# Allegro board reComputer J202_V1.0.brd (continued)
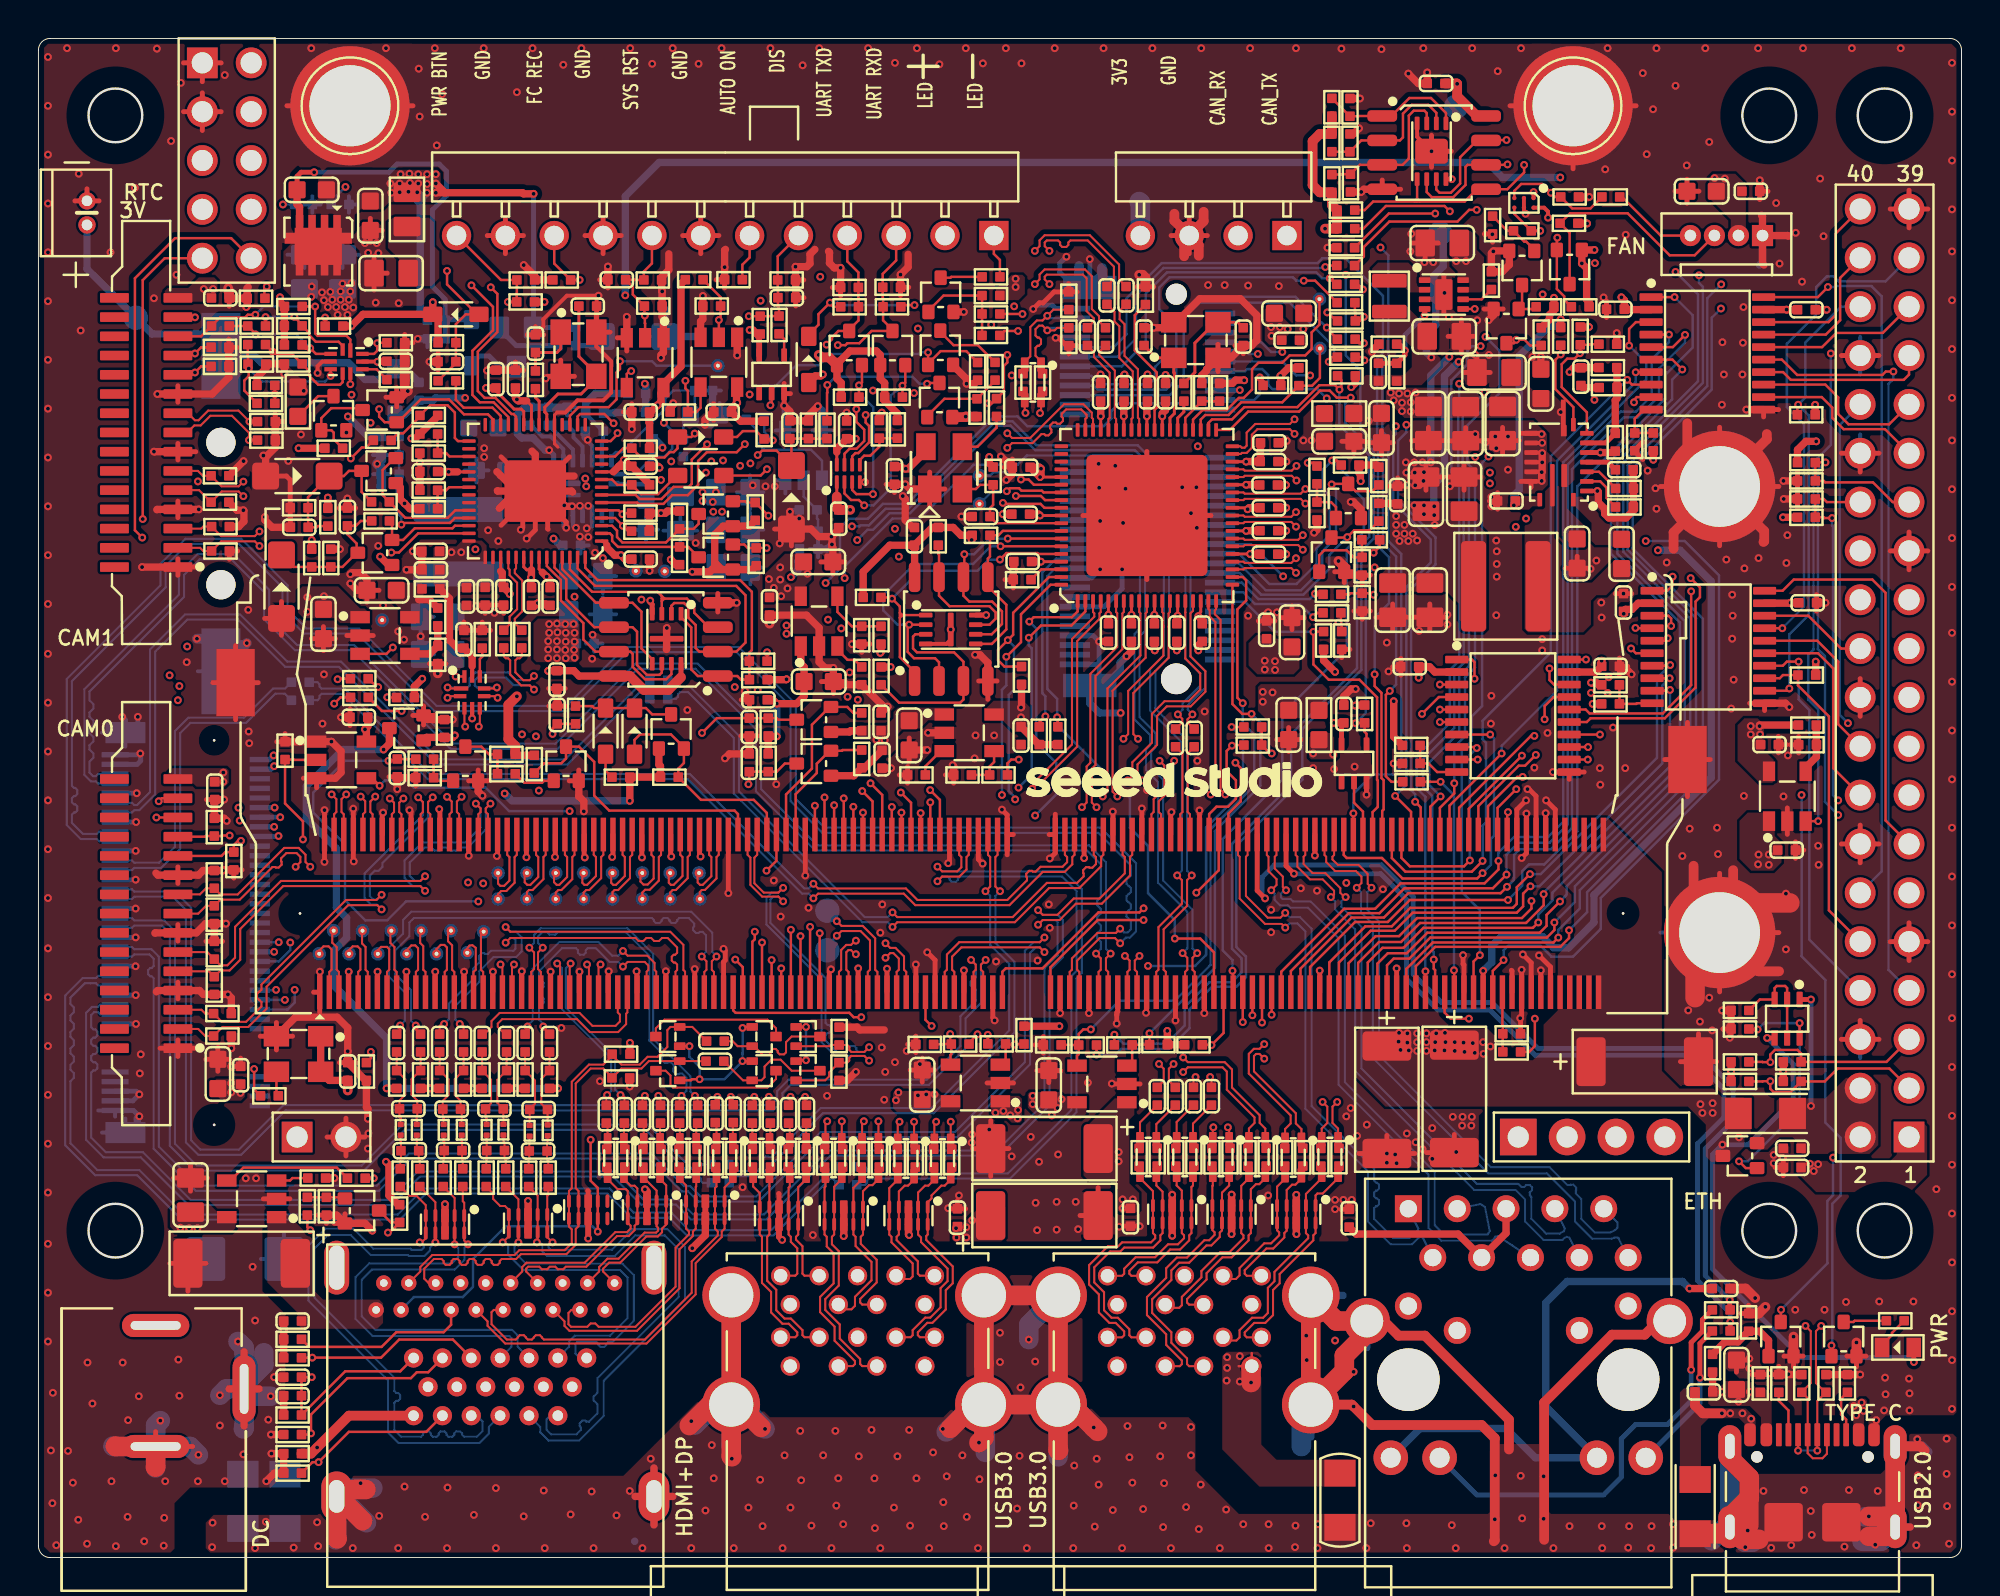
[diagram p0: board, top side]
## Routing (per net, layer and track width the routed paths; a pad name or vN(x,y) marks a point on that pad's centre or on a via; arc(x,y) is an arc through that point) (continued)
M2_SDIO_D2: length 18.5
  TOP w0.127: R202.1 67.54,63.36 67.25,63.66 67.25,63.71 v1(66.99,63.96)
  BOTTOM w0.127: v1(66.99,63.96) 66.71,64.24 66.69,64.24 65.37,65.56 60.37,65.56 59.17,64.36 59.17,61.27 58.64,60.74 55.08,60.74 54.87,60.95 J20.17
M2_SDIO_D3: length 19.8
  TOP w0.127: R195.1 67.22,62.43 67.09,62.3 v1(67.09,62.19)
  BOTTOM w0.127: v1(67.09,62.19) 67.37,62.47 67.37,62.95 65.06,65.26 60.39,65.26 59.55,64.42 59.55,61.17 58.83,60.45 J20.19
M2_USB2_AP_N: length 6.2
  TOP w0.107: R184.1 52.14,61.64 L27.1 52.14,62.21 51.85,62.5 51.85,62.91 51.95,63.02 52.03,63.02 52.13,63.13 52.13,63.34 52.03,63.45 51.95,63.45 51.85,63.55 51.85,63.88 52.03,64.06 52.21,64.06 v1(52.46,63.82) 52.84,63.82 52.97,63.95 D40.2
  BOTTOM w0.107: v1(52.46,63.82) 52.59,63.95 J20.5
M2_USB2_AP_P: length 6.4
  TOP w0.107: D42.2 52.78,64.9 v1(52.46,64.58) 52.21,64.33 51.92,64.33 51.58,63.99 51.58,62.47 51.29,62.18 L27.4 51.29,61.66 R183.1
  BOTTOM w0.107: v1(52.46,64.58) 52.59,64.45 J20.3
M2E_ALERT*: length 19
  TOP w0.127: R124.2 66.31,48.15 v1(66.3,48.14) 66.3,46.45 67.09,45.65 68.69,45.65 69.61,44.74 69.61,40.44 69.64,40.41 69.64,39.04 69.38,38.77 J11.212
  BOTTOM w0.127: v1(66.3,48.14) 64.3,48.14 62.74,49.7 J20.62
M2E_SUSCLK_32KHZ: length 19.3
  TOP w0.127: U16.4 69.06,42.84 68.96,42.94 R106.2 68.51,43.41 v1(68.49,43.39)
  LAY4 w0.127: v1(69.48,51.49) 68.74,50.75 65,50.75 v1(64.72,51.03)
  BOTTOM w0.127: J20.50 63.05,52.7 v1(64.72,51.03) ; v1(68.49,43.39) 69.02,43.92 69.02,51.04 v1(69.48,51.49)
M2M_ALERT*: length 101.1
  TOP w0.127: R213.1 67.49,64.31 67.04,64.75 v1(67.02,64.75) ; v1(18.14,44.74) 18.15,44.72 R108.2
  LAY3 w0.127: v1(13.09,31.99) 11.63,33.45 11.63,35.2 7.66,39.17 7.66,44.99 v1(7.33,45.32) ; v1(18.14,44.74) 17.67,44.74 16.62,45.79 16.62,60.13 v1(16.28,60.47)
  LAY4 w0.127: v1(67.02,64.75) 66.86,64.6 65.18,64.6 65,64.78 62.11,64.78 61.91,64.57 60.98,64.57 59.05,62.64 51,62.64 50.7,62.94 49.3,62.94 49.16,63.08 44.06,63.08 43.52,63.61 40.5,63.61 39.57,62.68 36.73,62.68 36.46,62.95 29.37,62.95 28.87,63.46 22.49,63.46 20.1,61.07 16.88,61.07 v1(16.28,60.47) ; v1(7.33,45.32) 7.81,45.32 7.96,45.17 15.25,45.17 15.68,44.74 v1(18.14,44.74)
  BOTTOM w0.127: v1(13.09,31.99) 13.09,31.59 12.5,31 J18.44
M2M_SUSCLK_32KHZ: length 2.2
  TOP w0.127: R268.2 11.21,24.34 v1(11.21,25.41)
  BOTTOM w0.127: v1(11.21,25.41) 11.21,25.13 11.34,25 J18.68
MCT: length 10.6
  TOP w0.381: J6.5 76.32,16.87 J6.4 73.82,16.82 68.52,16.82 C9.1
MCU_ADC0: length 7.4
  TOP w0.127: U29.38 21.67,54.46 21.28,54.07 19.07,54.07 R147.1 17.89,55.25 17.89,56.55 18.52,57.18 Q23.2
MCU_ADC1: length 8.4
  TOP w0.127: U29.39 21.66,54.06 21.4,53.8 18.96,53.8 v1(18.87,53.72)
  BOTTOM w0.127: v1(18.87,53.72) 18.87,54.11 18.63,54.36 18.63,55.78 18.75,55.9 C200.1 R263.1 R262.2
MCU_ADC2: length 5.4
  TOP w0.127: R137.1 18.39,53.77 Q20.2 18.96,52.92 19.57,53.53 21.53,53.53 21.66,53.66 U29.40
MCU_ADC3: length 8.5
  TOP w0.127: U29.41 19.74,53.26 18.74,52.27 v1(18.35,52.27)
  LAY3 w0.127: v1(18.35,52.27) 18.35,51.95 17.44,51.04 17.44,49.16 17.84,48.75 TP29.1
MCU_I2C0_SCL: length 6.5
  TOP w0.127: U29.3 29.83,53.66 30.09,53.4 30.09,53.07 30.37,52.79 32.63,52.79 R138.2 34.06,53.5 34.33,53.76 Q21.3
MCU_I2C0_SDA: length 5.7
  TOP w0.127: U29.2 29.71,53.26 29.83,53.14 29.83,52.86 30.14,52.56 R133.2 33.79,52.56 Q18.3
MCU_I2C1_SCL: length 5.5
  TOP w0.127: U29.5 30.17,54.46 v1(30.37,54.26) 30.42,54.31 R146.2
  LAY4 w0.127: TP31.1 31.41,52.45 31.41,53.22 v1(30.37,54.26)
MCU_I2C1_SDA: length 4.5
  TOP w0.127: R136.2 30.67,53.37 v1(30.39,53.65) 29.98,54.06 U29.4
  LAY4 w0.127: v1(30.39,53.65) 31.07,52.98 TP32.1
MCU_RST: length 24.1
  TOP w0.127: FB5.1 21.71,62.12 C145.1 R201.2 21.71,64.14 22.22,64.65 22.81,64.65 ; 22.81,64.65 D41.1 ; 22.81,64.65 21.25,66.21 v1(21.25,66.91)
  LAY4 w0.127: J17.4 12.15,74.1 12.15,72.09 12.71,71.53 v1(12.71,70.37) 12.71,69.68 14.08,68.31 16.04,68.31 17.44,66.91 v1(21.25,66.91)
  BOTTOM w0.127: D55.2 v1(12.71,70.37)
MCU_UART1_RX: length 58.2
  TOP w0.127: v1(34.77,57.9) 33.97,57.1 33.97,55.84 33.81,55.68 33.03,55.68 32.4,55.05 31.27,55.05 31.05,55.26 U29.7 ; J17.9 6.57,67.57 5.42,66.43 v1(5.42,54.01)
  LAY4 w0.127: v1(34.77,57.9) 33.72,57.9 33.26,58.35 32.24,58.35 28.18,62.42 23.05,62.42 20.05,59.42 19.06,59.42 15.86,56.22 12.99,56.22 10.73,53.96 5.47,53.96 v1(5.42,54.01)
MCU_UART1_TX: length 67.7
  TOP w0.127: J17.10 10.02,68.61 7.1,68.61 5.02,66.53 5.02,53.42 v1(5.4,53.04) ; U29.6 31.13,54.86 31.2,54.8 32.5,54.8 32.96,55.25 33.77,55.25 34.3,55.79 34.3,57.03 34.75,57.48 36.31,57.48 v1(36.73,57.9)
  LAY4 w0.127: v1(5.4,53.04) 6.08,53.72 10.83,53.72 13.09,55.98 15.96,55.98 19.16,59.18 20.15,59.18 23.15,62.18 28.08,62.18 32.14,58.12 32.98,58.12 33.62,57.49 35.06,57.49 35.48,57.9 v1(36.73,57.9)
MCU_USB_DN: length 8.7
  TOP w0.107: v1(25.77,45.14) 25.55,45.35 25.1,45.35 24.53,45.92 24.53,46.66 24.42,46.77 24.3,46.77 24.19,46.87 R120.1 ; U20.7 23.79,45.19 v1(23.84,45.24)
  BOTTOM w0.107: v1(23.84,45.24) 22.8,45.25 22.69,45.35 22.69,45.5 22.69,45.62 22.83,45.76 24.31,45.76 24.71,45.37 25.54,45.37 v1(25.77,45.14)
MCU_USB_DP: length 8.7
  TOP w0.107: v1(21.28,45.25) 21.33,45.19 U20.1 ; v1(25.77,45.84) 25.55,45.62 25.21,45.62 24.8,46.04 24.8,46.66 24.91,46.77 25.03,46.77 25.13,46.87 R121.1
  BOTTOM w0.107: v1(25.77,45.84) 25.56,45.64 24.82,45.64 24.42,46.03 22.72,46.03 22.42,45.73 22.42,45.5 22.42,45.35 22.32,45.25 v1(21.28,45.25)
MOD_SLEEP*: length 44.9
  TOP w0.127: v1(50.98,41.5) 50.58,41.5 50.39,41.3 R87.1 ; R97.1 62.09,42.25 v1(62.06,42.22) 61.79,41.94 61.79,40.9 62.27,40.42 62.27,39.45 61.86,39.05 61.26,39.05 60.87,38.67 J11.178 ; v1(50.94,63.79) 50.23,63.79 R206.1
  LAY3 w0.127: v1(50.94,63.79) 53.23,61.5 53.23,55.91 51.07,53.75 51.07,45.19 51.73,44.53 51.73,42.25 v1(50.98,41.5)
  LAY4 w0.127: v1(50.98,41.5) 51.69,42.21 57.33,42.21 57.34,42.22 v1(62.06,42.22)
MODE_SQ1: length 2.4
  BOTTOM w0.203: R252.1 27.79,57.62 U42.3
MODE_SQ2: length 1.9
  TOP w0.127: U32.3 81.15,56.47 R149.1
MR: length 2.8
  TOP w0.127: R172.2 49.82,58.76 48.83,57.77 U31.3
PC_LED-: length 2.3
  TOP w0.127: R230.1 50,67.48 49.68,67.8 J15.1
PCIE0_CLK_N: length 82.8
  TOP w0.107: J11.160 56.37,36.54 56.49,36.43 56.49,35.58 55.18,34.27 53.83,34.27 52.99,33.42 52.22,33.42 v1(51.98,33.67)
  BOTTOM w0.107: v1(51.98,33.67) 52.22,33.42 53,33.42 53.27,33.16 53.27,31.21 52.58,30.53 52.58,23.52 49.96,20.9 41.17,20.9 37.86,17.58 33.92,17.58 33.15,18.36 31.34,18.36 29.89,19.8 19.83,19.8 18.36,18.33 7.8,18.33 5.32,20.81 3.39,20.81 2.48,21.72 2.48,28.33 2.78,28.63 3.09,28.63 3.2,28.75 J18.53
PCIE0_CLK_P: length 82.6
  TOP w0.107: J11.162 56.87,36.54 56.76,36.43 56.76,35.47 55.29,34 53.95,34 53.1,33.15 52.22,33.15 v1(51.98,32.91)
  BOTTOM w0.107: J18.55 3.21,28.25 3.1,28.37 2.89,28.37 2.75,28.22 2.75,27.57 2.85,27.47 2.95,27.47 3.06,27.36 3.06,27.15 2.95,27.04 2.85,27.04 2.75,26.93 2.75,26.72 2.85,26.61 2.95,26.61 3.06,26.51 3.06,26.29 2.95,26.19 2.85,26.19 2.75,26.08 2.75,25.87 2.85,25.76 2.95,25.76 3.06,25.65 3.06,25.44 2.95,25.33 2.85,25.33 2.75,25.22 2.75,21.84 3.5,21.08 5.43,21.08 7.91,18.6 18.25,18.6 19.72,20.07 30,20.07 31.45,18.63 33.26,18.63 34.04,17.85 37.74,17.85 41.06,21.17 49.85,21.17 52.31,23.63 52.31,30.64 53,31.33 53,33.05 52.89,33.15 52.22,33.15 v1(51.98,32.91)
PCIE0_CLKREQ: length 61.3
  TOP w0.127: v1(60.21,34.58) 61.37,35.74 J11.180
  LAY4 w0.127: v1(12.81,29) 13.31,28.51 44.39,28.51 47.14,25.76 51.39,25.76 52.41,26.79 52.41,28.54 53.6,29.73 59.83,29.73 60.77,30.67 60.77,31.78 60.21,32.34 v1(60.21,34.58)
  BOTTOM w0.127: J18.52 v1(12.81,29)
PCIE0_RST: length 55.9
  TOP w0.127: R72.2 60.98,26.66 v1(61,26.65) 61.62,27.28 J11.181
  LAY4 w0.127: v1(61,26.65) 52.97,26.65 51.63,25.31 46.82,25.31 45.02,27.11 39.36,27.11 38.35,28.12 12.77,28.12 12.36,28.53 v1(12.36,29.52)
  BOTTOM w0.127: J18.50 12.33,29.5 v1(12.36,29.52)
PCIE0_RX0_N: length 77.3
  TOP w0.107: J11.131 47.12,30.46 47.24,30.57 47.24,31.36 47.88,32 52.07,32 v1(52.31,32.25)
  BOTTOM w0.107: v1(52.31,32.25) 52.07,32 51.74,32 51.29,31.55 51.29,25.76 47.66,22.13 40.68,22.13 37.32,18.78 34.43,18.78 33.9,19.31 33.57,19.31 31.87,21.01 19.26,21.01 17.59,19.34 8.29,19.34 6.26,21.37 6.26,31.25 5.88,31.63 4.98,31.63 4.87,31.75 J18.41
PCIE0_RX0_P: length 77.2
  TOP w0.107: J11.133 47.62,30.46 47.51,30.57 47.51,31.25 47.99,31.73 52.07,31.73 v1(52.31,31.49)
  BOTTOM w0.107: J18.43 4.87,31.25 4.98,31.37 5.76,31.37 5.99,31.14 5.99,30.76 5.88,30.66 5.81,30.66 5.7,30.55 5.7,30.34 5.81,30.23 5.88,30.23 5.99,30.12 5.99,21.26 8.18,19.07 17.7,19.07 19.37,20.74 31.75,20.74 33.45,19.04 33.78,19.04 34.32,18.51 37.44,18.51 40.79,21.86 47.77,21.86 51.56,25.65 51.56,31.44 51.85,31.73 52.07,31.73 v1(52.31,31.49)
PCIE0_RX1_N: length 66.1
  TOP w0.107: J11.137 48.62,30.46 48.74,30.57 48.74,30.83 v1(48.5,31.08)
  BOTTOM w0.107: J18.29 4.87,34.75 4.98,34.63 7.1,34.63 7.94,33.8 7.94,21.7 8.42,21.22 10.43,21.22 12.74,23.53 38.09,23.53 38.42,23.85 38.42,24.26 39,24.85 46.19,24.85 47.94,26.6 47.94,28.15 48.74,28.95 48.74,29.53 48.63,29.64 48.58,29.64 48.48,29.75 48.48,29.96 48.58,30.07 48.63,30.07 48.74,30.17 48.74,30.83 v1(48.5,31.08)
PCIE0_RX1_P: length 66.3
  TOP w0.107: J11.139 49.12,30.46 49.01,30.57 49.01,30.83 v1(49.25,31.08)
  BOTTOM w0.107: J18.31 4.87,34.25 4.98,34.37 6.99,34.37 7.67,33.68 7.67,21.59 8.31,20.95 10.54,20.95 12.85,23.26 38.2,23.26 38.69,23.74 38.69,24.15 39.11,24.58 46.3,24.58 48.21,26.49 48.21,28.04 49.01,28.84 49.01,30.83 v1(49.25,31.08)
PCIE0_RX2_N: length 92
  TOP w0.107: v1(56.25,32.7) 56.03,32.48 55.07,32.48 53.74,31.15 53.74,30.57 53.62,30.46 J11.149
  BOTTOM w0.107: v1(56.25,32.7) 56.44,32.51 56.64,32.51 56.81,32.67 56.81,33.12 56.7,33.22 56.68,33.22 56.58,33.33 56.58,33.54 56.68,33.65 56.7,33.65 56.81,33.76 56.81,33.97 56.7,34.08 56.68,34.08 56.58,34.18 56.58,34.4 56.68,34.5 56.7,34.5 56.81,34.61 56.81,34.82 56.7,34.93 56.68,34.93 56.58,35.04 56.58,35.25 56.68,35.36 56.7,35.36 56.81,35.46 56.81,36 55.12,37.69 40.77,37.69 39.11,39.34 39.11,44.27 36.3,47.08 30.63,47.08 27.56,44.02 20.59,44.02 16.56,48.05 13.82,48.05 12.69,49.18 12.69,50.45 10.43,52.71 7.76,52.71 6.62,51.57 6.62,50.45 1.74,45.57 1.74,40.13 1.85,40.02 1.91,40.02 2.02,39.92 2.02,39.7 1.91,39.6 1.85,39.6 1.74,39.49 1.74,39.28 1.85,39.17 1.91,39.17 2.02,39.06 2.02,38.85 1.91,38.74 1.85,38.74 1.74,38.64 1.74,38.21 2.31,37.63 3.04,37.63 3.15,37.75 J18.17 4.09,37.75
PCIE0_RX2_P: length 92.2
  TOP w0.107: J11.151 54.12,30.46 54.01,30.57 54.01,31.04 55.18,32.21 55.98,32.21 v1(56.25,31.95)
  BOTTOM w0.107: 4.09,37.25 J18.19 3.15,37.25 3.04,37.37 2.2,37.37 1.47,38.1 1.47,45.69 6.35,50.56 6.35,51.68 7.65,52.98 10.54,52.98 12.96,50.56 12.96,49.29 13.93,48.32 16.67,48.32 20.7,44.29 27.45,44.29 30.52,47.35 36.41,47.35 39.38,44.38 39.38,39.45 40.88,37.95 55.23,37.95 57.08,36.11 57.08,32.56 56.76,32.24 56.54,32.24 v1(56.25,31.95)
PCIE0_RX3_N: length 82.6
  TOP w0.107: J11.155 55.12,30.46 55.24,30.57 55.24,31.16 v1(55,31.41)
  BOTTOM w0.107: J18.5 3.1,40.75 2.99,40.63 2.84,40.63 2.65,40.82 2.65,41.39 2.86,41.59 2.86,41.82 2.65,42.02 2.65,42.24 2.86,42.45 2.86,42.67 2.65,42.87 2.65,43.1 2.86,43.3 2.86,43.52 2.65,43.73 2.65,43.95 2.86,44.15 2.86,44.38 2.65,44.58 2.65,45.04 7.57,49.96 7.57,51.1 8.38,51.91 10.04,51.91 11.73,50.21 11.73,48.79 13.34,47.19 16.3,47.19 21.38,42.1 21.39,42.1 21.44,42.05 27,42.05 31.16,46.22 34.17,46.22 37.31,43.08 37.31,39.85 40.39,36.77 54.52,36.77 55.24,36.05 55.24,34.34 55.05,34.16 55.05,33.92 55.24,33.73 55.24,33.49 55.05,33.3 55.05,33.06 55.24,32.88 55.24,32.64 55.05,32.45 55.05,32.21 55.24,32.02 55.24,31.65 v1(55,31.41)
PCIE0_RX3_P: length 82.8
  TOP w0.107: v1(55.75,31.41) 55.51,31.16 55.51,30.57 55.62,30.46 J11.157
  BOTTOM w0.107: v1(55.75,31.41) 55.51,31.65 55.51,36.16 54.63,37.04 40.5,37.04 37.58,39.96 37.58,43.19 34.28,46.49 31.05,46.49 26.89,42.32 21.55,42.32 21.5,42.37 21.49,42.37 16.41,47.45 13.45,47.45 12,48.9 12,50.32 10.15,52.18 8.27,52.18 7.3,51.21 7.3,50.07 2.38,45.15 2.38,40.71 2.73,40.37 2.99,40.37 3.1,40.25 J18.7
PCIE0_TX0_M2_N: length 55.5
  BOTTOM w0.107: C170.1 41.29,19.72 41.19,19.72 38.22,16.76 33.71,16.76 32.79,17.67 30.84,17.67 29.58,18.93 20.15,18.93 18.79,17.57 7.44,17.57 5.13,19.88 2.95,19.88 1.39,21.43 1.39,29.23 2.3,30.14 2.82,30.14 2.99,30.13 3.1,30.25 J18.47
PCIE0_TX0_M2_P: length 55.3
  BOTTOM w0.107: C172.1 41.3,19.99 41.08,19.99 38.11,17.03 33.82,17.03 32.91,17.94 30.95,17.94 29.69,19.2 20.04,19.2 18.68,17.84 7.56,17.84 5.24,20.15 3.06,20.15 1.66,21.55 1.66,24.77 1.84,24.95 1.84,25.19 1.66,25.37 1.66,25.62 1.84,25.8 1.84,26.05 1.66,26.23 1.66,26.47 1.84,26.65 1.84,26.9 1.66,27.08 1.66,27.33 1.84,27.51 1.84,27.75 1.66,27.93 1.66,28.18 1.84,28.36 1.84,28.61 1.66,28.79 1.66,29.12 2.41,29.87 2.7,29.87 2.99,29.87 3.1,29.75 J18.49
PCIE0_TX0_N: length 36
  TOP w0.107: J11.134 47.87,36.54 47.99,36.43 47.99,35.9 47.78,35.68 46.99,35.68 v1(46.75,35.93)
  BOTTOM w0.107: C170.2 42.98,19.38 43.09,19.48 43.09,19.6 43.2,19.71 43.35,19.71 50.52,19.71 53.98,23.16 53.98,30.12 54.26,30.4 54.26,34.76 53.34,35.68 46.99,35.68 v1(46.75,35.93)
PCIE0_TX0_P: length 35.8
  TOP w0.107: v1(46.75,35.17) 46.99,35.41 47.89,35.41 48.26,35.78 48.26,36.43 48.37,36.54 J11.136
  BOTTOM w0.107: C172.2 42.99,20.32 43.1,20.21 43.09,20.09 43.2,19.98 43.35,19.98 50.41,19.98 53.71,23.27 53.71,30.23 53.99,30.51 53.99,34.65 53.23,35.41 47.92,35.41 47.81,35.31 47.81,35.24 47.71,35.14 47.49,35.14 47.39,35.24 47.39,35.31 47.28,35.41 46.99,35.41 v1(46.75,35.17)
PCIE0_TX1_M2_N: length 44.9
  BOTTOM w0.107: J18.35 4.87,33.25 4.98,33.13 6.53,33.13 7.1,32.57 7.1,21.52 8.23,20.39 16.81,20.39 18.94,22.51 31.69,22.51 34.1,20.1 34.33,20.1 34.44,20.21 34.44,20.34 34.55,20.45 C173.1
PCIE0_TX1_M2_P: length 44.9
  BOTTOM w0.107: J18.37 4.87,32.75 4.98,32.87 6.42,32.87 6.83,32.46 6.83,21.41 8.12,20.12 16.92,20.12 19.05,22.24 31.57,22.24 33.98,19.83 34.33,19.83 34.44,19.73 34.44,19.59 34.55,19.49 C171.1
PCIE0_TX1_N: length 28.9
  TOP w0.107: v1(49.25,34.65) 49.49,34.9 49.49,36.43 49.37,36.54 J11.140
  BOTTOM w0.107: C173.2 35.92,20.45 36.03,20.34 36.03,20.21 36.14,20.1 37.4,20.1 37.68,20.38 37.68,20.53 37.65,20.55 37.65,20.71 37.8,20.86 37.95,20.86 37.98,20.83 38.13,20.83 40.68,23.38 46.44,23.38 50.48,27.41 50.48,30.87 49.49,31.86 49.49,34.41 v1(49.25,34.65)
PCIE0_TX1_P: length 29.1
  TOP w0.107: v1(50,34.65) 49.76,34.9 49.76,36.43 49.87,36.54 J11.142
  BOTTOM w0.107: C171.2 36.03,19.59 36.03,19.73 36.14,19.83 37.52,19.83 40.79,23.11 46.56,23.11 50.75,27.3 50.75,30.98 49.76,31.97 49.76,34.41 v1(50,34.65)
PCIE0_TX2_M2_N: length 16.6
  BOTTOM w0.107: C176.1 12.82,45.19 12.2,45.19 10.69,43.68 7.79,43.68 7.1,42.98 7.1,36.96 6.27,36.13 4.98,36.13 4.87,36.25 J18.23
PCIE0_TX2_M2_P: length 16.6
  BOTTOM w0.107: C174.1 12.81,44.92 12.32,44.92 10.8,43.41 7.9,43.41 7.37,42.87 7.37,36.85 6.38,35.87 4.98,35.87 4.87,35.75 J18.25
PCIE0_TX2_N: length 47
  TOP w0.107: v1(40.3,35.04) 40.54,34.8 45.11,34.8 45.71,34.2 50.38,34.2 51.4,35.22 51.4,35.37 51.36,35.41 51.36,35.56 51.52,35.71 51.67,35.71 51.71,35.67 51.86,35.67 52.11,35.92 53.25,35.92 53.49,36.16 53.49,36.43 53.37,36.54 J11.148
  BOTTOM w0.107: v1(40.3,35.04) 40.05,34.8 39.82,34.8 33.87,40.75 20.36,40.75 15.92,45.19 14.72,45.19 14.61,45.29 14.61,45.42 14.51,45.52 C176.2
PCIE0_TX2_P: length 47.1
  TOP w0.107: J11.150 53.87,36.54 53.76,36.43 53.76,36.05 53.36,35.65 52.22,35.65 50.49,33.93 45.6,33.93 45,34.53 40.54,34.53 v1(40.3,34.28)
  BOTTOM w0.107: C174.2 14.51,44.58 14.61,44.69 14.61,44.81 14.72,44.92 15.81,44.92 20.25,40.48 33.76,40.48 39.71,34.53 40.05,34.53 v1(40.3,34.28)
PCIE0_TX3_M2_N: length 41.1
  BOTTOM w0.107: J18.11 4.87,39.25 4.98,39.13 5.13,39.13 5.8,39.8 5.8,47.22 7.62,49.04 10.49,49.04 12.94,46.59 15.73,46.59 20.81,41.51 27.39,41.51 31.16,45.28 31.45,45.28 C177.1
PCIE0_TX3_M2_P: length 41.1
  BOTTOM w0.107: C175.1 31.45,45.01 31.27,45.01 27.51,41.24 20.7,41.24 15.62,46.32 12.83,46.32 10.38,48.78 7.73,48.78 6.07,47.11 6.07,39.69 5.24,38.87 4.98,38.87 4.87,38.75 J18.13
PCIE0_TX3_N: length 32.3
  TOP w0.107: v1(44.41,33.55) 44.66,33.31 50.66,33.31 52.44,35.08 54.01,35.08 54.35,35.42 54.35,35.57 54.32,35.6 54.32,35.75 54.48,35.9 54.63,35.9 54.65,35.88 54.8,35.88 54.99,36.06 54.99,36.43 54.87,36.54 J11.154
  BOTTOM w0.107: v1(44.41,33.55) 44.17,33.31 42.96,33.31 36.43,39.84 36.43,42.74 33.89,45.28 33.36,45.28 33.26,45.38 33.26,45.52 33.15,45.62 C177.2
PCIE0_TX3_P: length 32.5
  TOP w0.107: v1(44.41,32.79) 44.66,33.04 50.77,33.04 52.55,34.82 54.12,34.82 55.26,35.95 55.26,36.43 55.37,36.54 J11.156
  BOTTOM w0.107: C175.2 33.15,44.66 33.26,44.77 33.26,44.9 33.36,45.01 33.78,45.01 36.16,42.63 36.16,39.73 42.85,33.04 44.17,33.04 v1(44.41,32.79)
PCIE1_CLK_N: length 28
  TOP w0.107: J11.173 59.62,30.46 59.74,30.57 59.74,31.19 v1(59.5,31.43)
  BOTTOM w0.107: v1(59.5,31.43) 59.74,31.68 59.74,33.57 58.21,35.1 58.21,40.33 57.59,40.95 57.59,42.02 57.81,42.23 57.81,42.77 56.99,43.58 56.99,48.02 57.27,48.3 57.27,51.23 56.18,52.32 56.03,52.32 55.99,52.28 55.84,52.28 55.69,52.43 55.69,52.58 55.73,52.62 55.73,52.77 55.44,53.06 54.98,53.06 54.86,52.95 J20.49
PCIE1_CLK_P: length 28.1
  TOP w0.107: v1(60.25,31.43) 60.01,31.19 60.01,30.57 60.12,30.46 J11.175
  BOTTOM w0.107: v1(60.25,31.43) 60.01,31.68 60.01,33.69 58.48,35.21 58.48,40.44 57.86,41.06 57.86,41.91 58.08,42.12 58.08,42.88 57.26,43.7 57.26,47.91 57.54,48.19 57.54,51.34 55.55,53.33 54.98,53.33 54.86,53.45 J20.47
PCIE1_CLKREQ: length 26.1
  TOP w0.127: v1(52.36,43.75) 52.04,43.43 R99.2 ; J11.182 61.87,38.68 62.52,39.33 62.52,41.05 v1(62.24,41.33)
  LAY4 w0.127: v1(52.36,43.75) 52.95,43.16 58.74,43.16 59.08,42.82 62.02,42.82 62.46,42.39 62.46,41.55 v1(62.24,41.33)
  BOTTOM w0.127: J20.53 52.92,51.95 52.21,51.24 52.21,44.94 52.36,44.79 v1(52.36,43.75)
PCIE1_M2_TX0_N: length 18.4
  TOP w0.107: v1(59.25,43.85) 59.48,43.62 59.48,43.43 C65.1
  BOTTOM w0.107: v1(59.25,43.85) 59.49,44.09 59.49,44.43 60.4,45.33 60.4,45.97 59.64,46.73 59.64,53.13 56.71,56.06 56.15,56.06 56.04,55.96 56.04,55.89 55.93,55.79 55.72,55.79 55.61,55.89 55.61,55.96 55.51,56.06 54.98,56.06 54.86,55.95 J20.37
PCIE1_M2_TX0_P: length 18.5
  TOP w0.107: v1(60.01,43.85) 59.75,43.59 59.75,43.43 C66.1
  BOTTOM w0.107: J20.35 54.86,56.45 54.98,56.33 56.82,56.33 59.91,53.25 59.91,46.84 60.67,46.08 60.67,45.22 59.76,44.31 59.76,44.09 v1(60.01,43.85)
PCIE1_RST: length 44.3
  TOP w0.127: J11.183 62.12,30.48 v1(62.09,30.51) ; v1(67.27,57.06) 67.5,57.06 R153.2
  BOTTOM w0.127: v1(62.09,30.51) 62.09,31.07 61.58,31.58 61.58,37.37 64.68,40.47 64.68,43.87 68.03,47.23 68.03,52.46 68.92,53.35 68.92,55.02 68.19,55.76 68.19,56.14 v1(67.27,57.06) 66.79,56.57 66.79,55.56 67.14,55.2 67.14,53.17 66.46,52.48 66.46,51.67 65.42,50.63 64.01,50.63 62.44,52.2 J20.52
PCIE1_RX0_N: length 30.7
  TOP w0.107: v1(59.21,35.47) 59.46,35.23 59.46,34 58.24,32.78 58.24,30.57 58.12,30.46 J11.167
  BOTTOM w0.107: J20.43 54.86,54.45 54.98,54.56 55.55,54.56 55.66,54.46 55.66,54.37 55.76,54.26 55.98,54.26 56.08,54.37 56.08,54.46 56.19,54.56 56.5,54.56 58.52,52.55 58.52,46.93 57.81,46.22 57.81,44.04 59.46,42.39 59.46,35.72 v1(59.21,35.47)
PCIE1_RX0_P: length 30.8
  TOP w0.107: v1(59.97,35.47) 59.73,35.23 59.73,33.89 58.51,32.67 58.51,30.57 58.62,30.46 J11.169
  BOTTOM w0.107: J20.41 54.86,54.95 54.98,54.83 56.62,54.83 58.79,52.66 58.79,46.82 58.08,46.11 58.08,44.15 59.73,42.5 59.73,35.72 v1(59.97,35.47)
PCIE1_TX0_N: length 4.8
  TOP w0.107: C65.2 59.49,41.8 59.49,38.77 59.37,38.66 J11.172
PCIE1_TX0_P: length 4.7
  TOP w0.107: C66.2 59.76,41.82 59.76,38.77 59.87,38.66 J11.174
PCIE_WAKE: length 82.2
  TOP w0.127: J11.179 61.12,31.48 60.41,32.19 v1(59.09,32.19) ; R100.2 53.01,43.66 v1(52.97,43.7)
  LAY4 w0.127: v1(59.09,32.19) 59.09,31.15 58.08,30.13 53.68,30.13 52.18,28.63 52.18,26.88 51.29,25.99 47.23,25.99 44.36,28.86 13.98,28.86 v1(13.32,29.52)
  BOTTOM w0.127: v1(13.32,29.52) 13.32,28.86 12.96,28.5 J18.54 ; v1(59.09,32.19) 59.09,33.15 57.7,34.55 57.7,37.02 56.76,37.95 56.76,39.52 52.97,43.3 v1(52.97,43.7) 52.97,44.66 52.46,45.17 52.46,51.04 52.88,51.45 J20.55
POE_VC1: length 11.7
  LAY3 w0.305: J8.1 76.95,20.51 75.02,18.57 75.02,17.51 73.72,16.21 73.72,14.59 72.21,13.08 J6.11
POE_VC2: length 12.4
  LAY3 w0.305: J6.12 76.29,14.32 76.29,16.24 77.63,17.58 77.63,18.78 79.49,20.63 J8.2
POE_VC3: length 13.2
  LAY4 w0.305: J6.13 80.13,12.96 81.52,14.36 83.65,14.36 84.57,15.27 J8.4
POE_VC4: length 10.4
  LAY3 w0.305: J8.3 82.03,20 84.34,17.69 84.34,14.76 J6.14
POWER_EN: length 137.7
  TOP w0.127: Q7.1 39.44,25.86 v1(39.91,25.86) ; Q10.1 v1(39.91,27.59) ; v1(33.64,61.2) 33.64,60.8 33.77,60.67 R170.1 34.21,59.57 34.43,59.79 U35.4 ; J11.237 75.62,30.51 v1(76.19,31.07)
  LAY3 w0.127: v1(83.58,52.86) 81.62,54.82 81.62,59.49 v1(80.91,60.21)
  LAY4 w0.127: v1(80.91,60.21) 80.52,60.21 80.34,60.03 73.24,60.03 72.22,61.04 69.1,61.04 68.57,61.58 66.61,61.58 66.27,61.92 37.59,61.92 36.84,61.17 34.06,61.17 34.04,61.2 v1(33.64,61.2) ; v1(76.19,31.07) 76.19,30.68 75.01,29.5 53.69,29.5 52.69,28.49 52.69,26.7 51.52,25.53 46.98,25.53 44.94,27.57 40.33,27.57 40.31,27.59 v1(39.91,27.59)
  BOTTOM w0.127: v1(83.58,52.86) 85.6,52.86 87.39,51.07 87.39,40.45 81.24,34.31 81.24,32.7 79.79,31.25 78.68,31.25 78.12,31.81 76.42,31.81 76.19,31.58 v1(76.19,31.07) ; v1(39.91,27.59) v1(39.91,25.86)
PWM_EN: length 2.3
  TOP w0.127: Q32.3 77.15,65.11 Q30.1 77.76,64.93 R217.2
PWR_BTN*: length 93.5
  TOP w0.127: v1(24.41,65.3) R224.2 24.87,65.74 24.88,65.75 D46.2 24.05,66.44 J15.12 ; v1(76.42,38.77) 76.38,38.73 J11.240 ; v1(37.88,56.6) 37.55,56.27 D32.2
  LAY3 w0.127: v1(37.88,56.6) 37.88,57.84 37.6,58.12 37.6,64.92 37.55,64.97 v1(37.55,65.36) ; v1(76.42,38.77) 75.49,39.69 75.49,42.06 75.12,42.43 75.12,45.98 74.71,46.39 v1(74.71,57.23)
  LAY4 w0.127: v1(24.41,65.3) 24.41,64.61 24.95,64.07 29.1,64.07 29.7,63.46 37.2,63.46 37.55,63.81 v1(37.55,65.36) ; v1(74.71,57.23) 74.03,57.92 67.99,57.92 65.6,60.31 64.53,60.31 63.84,59.62 61.78,59.62 61.1,60.31 50.63,60.31 47.84,57.51 38.8,57.51 v1(37.88,56.6)
PWR_LED_CTRL: length 65.9
  TOP w0.127: v1(46.44,27.64) 46.12,27.96 J11.127 ; R103.1 v1(62.04,43.19) ; v1(51.17,64.67) R214.1
  LAY3 w0.127: v1(62.04,43.19) 60.44,44.8 60.44,46.46 58.48,48.42 58.48,49.46 58.18,49.77 58.18,56.57 55.82,58.94 55.82,64.35 53.54,66.62 51.54,66.62 51.27,66.35 51.27,65.17 51.17,65.06 v1(51.17,64.67)
  LAY4 w0.127: v1(46.44,27.64) 46.44,27.25 47.45,26.25 51.22,26.25 51.88,26.91 51.88,28.71 53.94,30.77 v1(57.7,30.77)
  BOTTOM w0.127: v1(57.7,30.77) 60.14,30.77 60.72,31.34 60.72,37.97 62.64,39.88 62.64,42.6 v1(62.04,43.19)
QSPI_CSN: length 20.7
  TOP w0.127: U23.1 33.41,48.9 33.95,48.37 33.95,46.18 34.29,45.84 U22.1 36.34,45.84 36.53,45.65 R111.2 36.97,46.09 36.96,46.1 R117.1 36.96,47.06 37.1,47.19 37.1,50.22 36.49,50.83 29.07,50.83 28.44,51.47 U29.56
QSPI_SCLK: length 10.5
  TOP w0.127: U29.52 26.84,51.48 27.44,50.87 27.44,49.84 28.9,48.38 U22.6 30.89,48.38 31.13,48.15 31.13,46.41 31.64,45.91 32.3,45.91 32.41,46.02 U23.6
QSPI_SD0: length 8.6
  TOP w0.127: U29.53 27.24,51.41 28.99,49.65 U22.5 30.89,49.65 31.36,49.19 31.36,47.28 31.91,46.72 U23.5
QSPI_SD1: length 18.9
  TOP w0.127: U23.2 32.91,49.49 33.06,49.64 33.57,49.64 33.79,49.42 33.79,48.88 34.18,48.5 34.18,47.3 34.36,47.11 U22.2 36.29,47.11 36.77,47.59 36.77,50.05 36.28,50.53 28.94,50.53 28.03,51.44 U29.55
QSPI_SD2: length 11
  TOP w0.127: 32.41,49.87 32.41,50 ; 32.41,49.87 32.41,49.74 ; 32.41,49.87 32.54,49.87 ; 32.41,50 32.19,50.22 28.79,50.22 27.64,51.38 U29.54 ; 32.41,50 32.55,49.87 ; U23.3 32.41,49.74 ; 32.41,49.74 32.54,49.87 ; U22.3 34.85,48.38 34.1,49.14 34.1,49.49 33.72,49.87 32.55,49.87 ; 32.55,49.87 32.54,49.87
QSPI_SD3: length 11.5
  TOP w0.127: U23.7 32.91,45.94 32.65,45.68 31.54,45.68 30.9,46.32 30.9,47 30.78,47.11 U22.7 28.96,47.11 28.34,47.74 28.34,48.59 27.16,49.77 27.16,50.83 26.44,51.56 U29.51
RP2040_XIN: length 8.4
  TOP w0.152: U29.20 26.44,59.46 26.33,59.57 26.33,59.82 27.01,60.51 28.22,60.51 29.01,61.3 X1.3 29.01,61.56 28.1,62.46 C157.1
RP2040_XOUT: length 1.9
  TOP w0.152: U29.21 26.04,60.14 25.84,60.33 R185.2
RUN: length 4.1
  TOP w0.127: U29.26 24.04,59.37 23.61,59.8 22.11,59.8 21.71,60.2 FB5.2
SDIO_CLK: length 12.3
  TOP w0.127: J11.229 73.62,29.4 73.62,30.52 v1(73.61,30.54) ; R81.2 72.37,40.34 72.37,40.34 v1(72.91,40.34)
  BOTTOM w0.127: v1(72.91,40.34) 73.61,39.65 v1(73.61,30.54)
SDIO_CMD: length 53.1
  TOP w0.127: v1(74.38,28.02) 73.44,28.02 73.12,28.33 J11.227 ; R231.2 68.92,67.67 68.92,68.15 70.24,69.48 73.79,69.48 74.4,70.09 v1(74.79,70.09)
  LAY3 w0.127: v1(74.79,70.09) 74.79,65.97 74.26,65.44 74.26,38.51 73.8,38.06 73.8,34.3 74.49,33.6 74.49,28.53 74.38,28.42 v1(74.38,28.02)
SDIO_D0: length 69.5
  TOP w0.127: v1(68.87,65.95) 68.6,66.21 R227.2 ; v1(79.03,32.24) 78.78,31.99 72.5,31.99 71.12,30.61 J11.219
  LAY4 w0.127: v1(68.87,65.95) 69.27,65.95 69.49,66.17 87.07,66.17 87.11,66.21 v1(87.5,66.21)
  BOTTOM w0.127: v1(87.5,66.21) 86.78,65.49 86.78,60.92 82.64,56.78 82.64,52.41 86.19,48.85 86.19,40.75 80.15,34.7 80.15,33.75 79.03,32.63 v1(79.03,32.24)